# Altium PCB PCB.PcbDoc (part 9 of 10)
Units mm, origin at the board's own origin, x right, y up, seen from the top; angles counter-clockwise.
Board outline 25 x 25 mm, 10 copper layers (Top Layer, bu3, bu2, bu1, Core1, Core1b, bu1b, bu2b, bu3b, Bottom Layer), stack 1.2 mm thick; 43 components, 310 nets, 1945 pads, 12307 vias.
Unrouted connection lines stored in the file: 68.
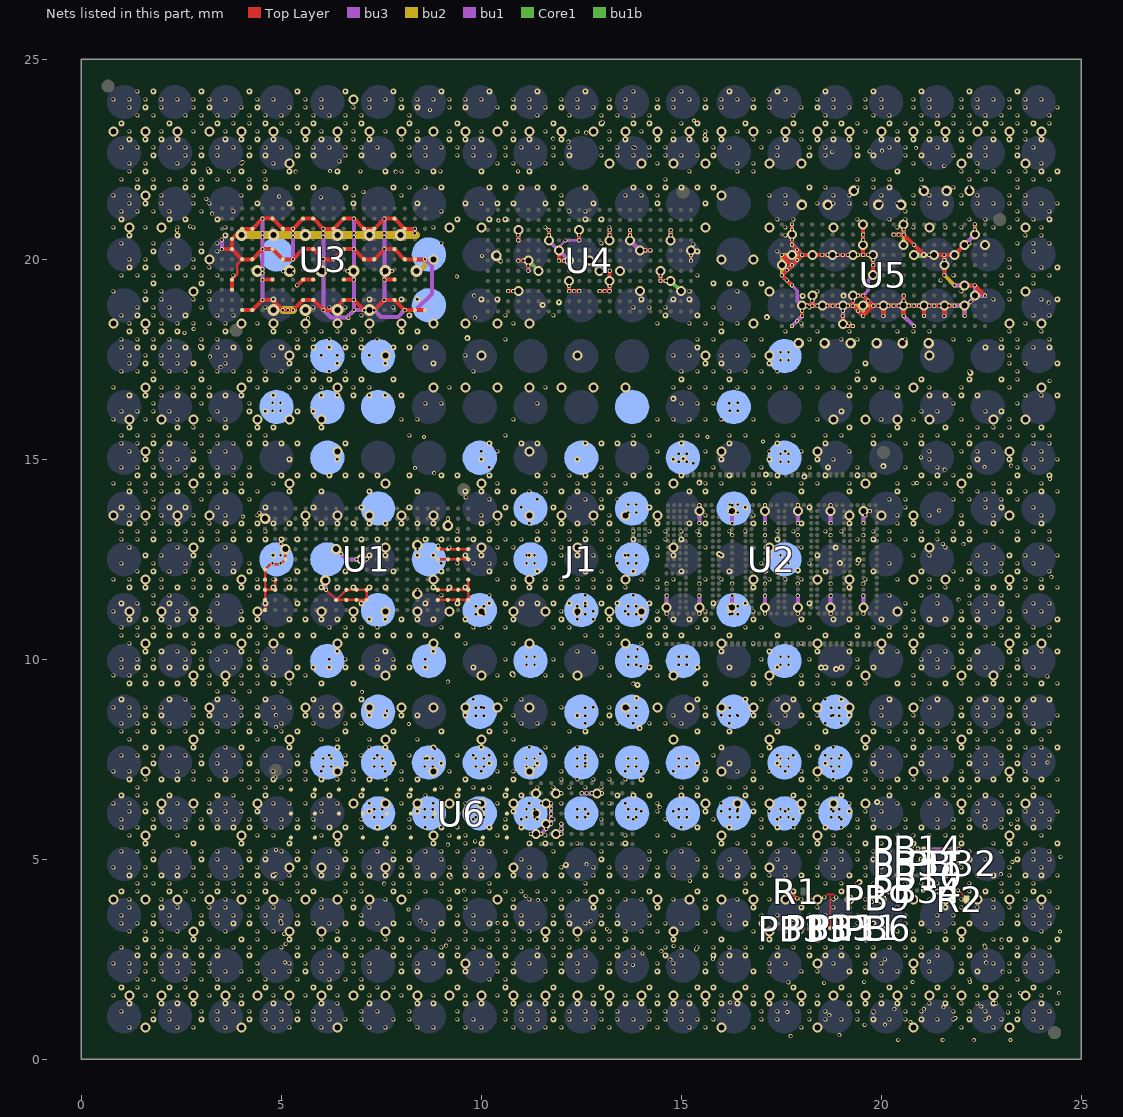
[diagram p17: the nets of this part, all layers, seen from the top]

## Via types
v1: diameter 0.1, hole 0.06, Top Layer to bu3, 2216 vias
v2: diameter 0.1, hole 0.06, bu3 to bu2, 1881 vias
v3: diameter 0.1, hole 0.06, bu3b to Bottom Layer, 1302 vias
v4: diameter 0.1, hole 0.06, bu2b to bu3b, 1272 vias
v5: diameter 0.1, hole 0.06, bu2 to bu1, 1248 vias
v6: diameter 0.15/0.1 (per signal layer), hole 0.06, Core1b to bu1b, 1224 vias
v7: diameter 0.1/0.15 (per signal layer), hole 0.06, bu1 to Core1, 1096 vias
v8: diameter 0.1, hole 0.06, bu1b to bu2b, 1021 vias
v9: diameter 0.25, hole 0.15, Core1 to Core1b, 537 vias
v10: diameter 0.3, hole 0.15, Core1 to Core1b, 253 vias
v11: diameter 0.1/0.1 (per signal layer), hole 0.06, bu1b to bu2b, 114 vias
v12: diameter 0.26, hole 0.15, Core1 to Core1b, 81 vias
v13: diameter 0.1, hole 0.06, bu1 to Core1, 52 vias
v14: diameter 0.105, hole 0.06, Top Layer to bu3, 6 vias
v15: diameter 0.1, hole 0.06, Core1b to bu1b, 4 vias

## Nets (pads, with @x,y where several pads share a name; then routed paths per layer and width w, separated by ;. In a path a pad name is that pad's centre, name@x,y a point inside that pad or via, vN(x,y) a via of type N, cw(c..) or ccw(c..) an arc to the next point about the centre after c; other vN are vias at no path point) (continued)
VSS: (continued)
  other v5: 1.2,0.8 1.6,0.8 2.4,0.8 2.8,0.8 3.6,0.8 4,0.8 4.8,0.8 6,0.8 7.2,0.8 8.4,0.8 9.6,0.8 10,0.8 10.8,0.8 11.6,0.8 12,0.8 12.8,0.8 13.2,0.8 14,0.8 14.4,0.8 15.2,0.8 15.6,0.8 16.8,0.8 18,0.8 20.8,0.8 22,0.8 22.8,0.8 23.2,0.8 24,0.8 1,1.2 1.8,1.2 2.2,1.2 3.8,1.2 4.6,1.2 5,1.2 7.4,1.2 8.2,1.2 13.4,1.2 14.6,1.2 15,1.2 15.8,1.2 17,1.2 17.4,1.2 18.2,1.2 18.6,1.2 19.4,1.2 19.8,1.2 20.6,1.2 21,1.2 21.8,1.2 22.2,1.2 22.6,1.2 23.8,1.2 24.2,1.2 16.221,1.421 1.2,1.6 7.2,1.6 8,1.6 17.6,1.6 19.2,1.6 19.6,1.6 22.8,1.6 24,1.6 1.8,2 6.6,2 7,2 10.2,2 10.6,2 0.8,2.4 1.2,2.4 2,2.4 2.4,2.4 8.4,2.4 12,2.4 17.6,2.4 18.8,2.4 19.6,2.4 20,2.4 20.8,2.4 22.8,2.4 23.6,2.4 24,2.4 5.088,2.42 14.724,2.49 1.4,2.8 4.2,2.8 11.4,2.8 21,2.8 21.8,2.8 23,2.8 9.119,2.842 5.07,3.138 1.2,3.2 2,3.2 3.6,3.2 7.6,3.2 24,3.2 13.144,3.261 1,3.6 16.2,3.6 17,3.6 18.2,3.6 19,3.6 19.4,3.6 23.8,3.6 24.2,3.6 8.179,3.746 1.2,4 2,4 3.6,4 24,4 11.11,4.089 9.572,4.217 3.4,4.4 3.8,4.4 4.2,4.4 23,4.4 23.8,4.4 0.8,4.8 1.2,4.8 1.6,4.8 2.8,4.8 3.6,4.8 23.2,4.8 24,4.8 1.4,5.2 2.6,5.2 3.4,5.2 21.8,5.2 23,5.2 23.8,5.2 4.866,5.238 1.2,5.6 11.6,5.6 13.6,5.6 14.4,5.6 20.8,5.6 23.2,5.6 24,5.6 11.873,5.635 11.619,5.889 1,6 11,6 11.4,6 13.8,6 14.6,6 22.2,6 22.6,6 23,6 23.4,6 23.8,6 11.365,6.143 12.678,6.136 1.2,6.4 3.6,6.4 4,6.4 10.8,6.4 11.2,6.4 11.619,6.397 13.6,6.4 22,6.4 22.8,6.4 11.365,6.651 11.873,6.651 11.4,6.8 11.8,6.8 12.2,6.8 12.6,6.8 13,6.8 23.8,6.8 0.8,7.2 1.2,7.2 14.8,7.2 20,7.2 22.4,7.2 23.2,7.2 23.6,7.2 21,7.6 22.2,7.6 23.4,7.6 1.2,8 21.6,8 22.4,8 22.8,8 23.2,8 24,8 4.862,8.305 1,8.4 1.4,8.4 2.6,8.4 3.4,8.4 3.8,8.4 11,8.4 11.4,8.4 24.2,8.4 1.2,8.8 22.8,8.8 3.4,9.2 3.8,9.2 0.8,9.6 1.2,9.6 3.6,9.6 4.8,9.6 23.6,9.6 1.4,10 6.2,10 6.6,10 7.4,10 7.8,10 8.6,10 21.4,10 23.4,10 1.2,10.4 22,10.4 22.8,10.4 23.6,10.4 24,10.4 1,10.8 1.4,10.8 2.2,10.8 4.6,10.8 6.2,10.8 6.6,10.8 7,10.8 7.4,10.8 20.2,10.8 24.2,10.8 1.2,11.2 2.4,11.2 4,11.2 12.4,11.2 12.8,11.2 13.2,11.2 14.4,11.2 22.8,11.2 24,11.2 14.632,11.594 15.452,11.594 16.272,11.594 17.092,11.594 17.912,11.594 18.732,11.594 19.552,11.594 1.8,11.6 3,11.6 4.2,11.6 10.2,11.6 12.6,11.6 22.2,11.6 22.6,11.6 23,11.6 23.4,11.6 8.403,11.633 6.118,11.738 0.8,12 1.6,12 2,12 2.8,12 3.2,12 4.4,12 10.8,12 12.4,12 12.8,12 13.2,12 24,12 1.8,12.4 3,12.4 3.8,12.4 9,12.4 9.4,12.4 9.8,12.4 10.2,12.4 22.2,12.4 22.6,12.4 23,12.4 23.4,12.4 7.007,12.5 5.102,12.754 1.2,12.8 2.4,12.8 3.6,12.8 9.2,12.8 10,12.8 10.8,12.8 21.6,12.8 22.8,12.8 24,12.8 8.403,12.856 1,13.2 1.4,13.2 2.2,13.2 2.6,13.2 3.4,13.2 3.8,13.2 9.4,13.2 11.8,13.2 12.2,13.2 13,13.2 13.4,13.2 21.8,13.2 22.2,13.2 22.6,13.2 23,13.2 23.4,13.2 23.8,13.2 24.2,13.2 15.452,13.404 16.272,13.404 17.092,13.404 17.912,13.404 18.732,13.404 19.552,13.404 9.165,13.516 4.038,13.571 1.2,13.6 2.4,13.6 3.6,13.6 12,13.6 13.2,13.6 20.4,13.6 21.2,13.6 22.8,13.6 1.8,14 3,14 11.4,14 12.6,14 20.6,14 21.8,14 22.2,14 22.6,14 23,14 23.4,14 9.609,14.051 0.8,14.4 1.6,14.4 2,14.4 2.8,14.4 11.6,14.4 12.4,14.4 12.8,14.4 20.4,14.4 21.2,14.4 24,14.4 9.4,14.6 8.819,14.653 8.342,14.779 1.8,14.8 21.4,14.8 22.2,14.8 23.4,14.8 23.8,14.8 1.2,15.2 3.2,15.2 3.6,15.2 21.2,15.2 22,15.2 22.4,15.2 22.8,15.2 23.2,15.2 24,15.2 8.566,15.559 15.654,15.559 1,15.6 1.4,15.6 1.8,15.6 21.4,15.6 23,15.6 23.8,15.6 24.2,15.6 1.2,16 23.6,16 1.8,16.4 0.8,16.8 1.6,16.8 7.2,16.8 18.2,17.2 19.4,17.2 3.215,17.569 1.2,17.6 6,17.6 7.2,17.6 1,18 2.2,18 5.4,18 5.8,18 6.2,18 6.6,18 24.2,18 2,18.4 10.4,18.4 10.8,18.4 14.4,18.4 4.806,18.728 5.606,18.728 6.406,18.728 4.6,18.8 5.8,18.8 6.2,18.8 6.6,18.8 7.8,18.8 13.8,18.8 14.2,18.8 14.6,18.8 18.02,18.84 18.528,18.84 19.036,18.84 20.052,18.84 20.56,18.84 21.068,18.84 21.576,18.84 18.274,19.094 19.29,19.094 0.8,19.2 10.67,19.206 10.797,19.206 10.924,19.206 13.2,19.2 15.2,19.2 22.084,19.348 12.194,19.46 13.21,19.46 14.734,19.46 21.482,19.475 19.798,19.602 4.406,19.703 8.381,19.703 12.956,19.714 14.48,19.714 21.576,19.856 11.051,19.968 11.178,19.968 12.194,19.968 10.018,20.089 18.274,20.11 18.782,20.11 19.29,20.11 19.798,20.11 21.322,20.11 21.83,20.11 11.94,20.222 13.972,20.222 19.544,20.364 22.084,20.364 13,20.4 24.2,20.4 10.924,20.476 11.686,20.476 13.21,20.476 13.718,20.476 14.734,20.476 4.006,20.603 4.806,20.603 5.606,20.603 6.406,20.603 7.206,20.603 7.981,20.603 10.924,20.603 13.718,20.603 14.734,20.603 17.766,20.618 22.338,20.618 10.924,20.73 12.448,20.73 13.718,20.73 14.734,20.73 1.2,20.8 3.6,20.8 11.6,20.8 13.2,20.8 17.6,20.8 20.4,20.8 19.544,20.872 20.56,20.872 10.43,20.971 3.8,21.2 12.2,21.2 12.6,21.2 20.6,21.2 0.8,21.6 6.8,21.6 8,21.6 12,21.6 13.6,21.6 14,21.6 14.4,21.6 19.2,21.6 20,21.6 19.4,22 19.8,22 20.2,22 1.2,22.4 10.4,22.4 10.8,22.4 11.2,22.4 11.6,22.4 16.4,22.4 18.773,22.688 20.018,22.717 1,22.8 4.2,22.8 4.6,22.8 5,22.8 5.4,22.8 5.8,22.8 6.6,22.8 8.6,22.8 9.8,22.8 10.6,22.8 11.4,22.8 12.2,22.8 13.4,22.8 13.8,22.8 14.2,22.8 14.6,22.8 20.6,22.8 21.4,22.8 22.2,22.8 23.8,22.8 1.2,23.2 1.6,23.2 14.8,23.2 22.8,23.2 23.2,23.2 24,23.2 3.4,23.6 3.8,23.6 4.2,23.6 4.6,23.6 5,23.6 5.8,23.6 7,23.6 11.4,23.6 12.2,23.6 13,23.6 13.4,23.6 14.2,23.6 19.8,23.6 21,23.6 21.8,23.6 23,23.6 24.2,23.6 0.8,24 1.2,24 1.6,24 2.4,24 2.8,24 4.4,24 4.8,24 5.6,24 6,24 7.6,24 8,24 9.2,24 9.6,24 10,24 10.8,24 11.2,24 12,24 12.4,24 13.2,24 13.6,24 14.4,24 14.8,24 15.2,24 16,24 16.4,24 16.8,24 17.2,24 17.6,24 18.4,24 18.8,24 19.6,24 20,24 20.8,24 21.2,24 22,24 22.4,24 22.8,24 23.2,24 23.6,24 24,24
  other v6: 1.8,1 3,1 4.2,1 5.4,1 11.8,1 19.8,1 21,1 22.2,1 23.4,1 1.2,1.4 2.4,1.4 3.6,1.4 4.8,1.4 6,1.4 7.2,1.4 8.4,1.4 9.6,1.4 10.8,1.4 12,1.4 13.2,1.4 14.4,1.4 15.6,1.4 16.8,1.4 18,1.4 19.2,1.4 20.4,1.4 21.6,1.4 22.8,1.4 24,1.4 1,1.8 2.2,1.8 3.4,1.8 4.6,1.8 5.8,1.8 7,1.8 8.2,1.8 9.4,1.8 10.6,1.8 11.8,1.8 13,1.8 14.2,1.8 15.4,1.8 16.6,1.8 17.8,1.8 19,1.8 20.2,1.8 21.4,1.8 22.6,1.8 23.8,1.8 8.4,2.2 9.6,2.2 10.8,2.2 12,2.2 13.2,2.2 14.4,2.2 15.6,2.2 16.8,2.2 1.8,2.6 3,2.6 4.2,2.6 5.4,2.6 6.6,2.6 7.8,2.6 9,2.6 10.2,2.6 11.4,2.6 16.2,2.6 17.4,2.6 18.6,2.6 19.8,2.6 21,2.6 22.2,2.6 23.4,2.6 1.6,3 2.8,3 4,3 5.2,3 13.6,3 14.8,3 16,3 17.2,3 18.4,3 19.6,3 20.8,3 22,3 23.2,3 24.4,3 1.8,3.4 3,3.4 4.2,3.4 5.4,3.4 6.6,3.4 7.8,3.4 9,3.4 9.4,3.4 10.2,3.4 10.6,3.4 11,3.4 11.8,3.4 12.2,3.4 13,3.4 13.4,3.4 18.6,3.4 19.8,3.4 21,3.4 22.2,3.4 23.4,3.4 6.8,3.8 14.4,3.8 15.6,3.8 16.8,3.8 18,3.8 21.6,3.8 1,4.2 2.2,4.2 3.4,4.2 4.6,4.2 7.8,4.2 13,4.2 14.2,4.2 15.4,4.2 16.6,4.2 17.8,4.2 19,4.2 20.2,4.2 21.4,4.2 22.6,4.2 23.8,4.2 1.2,4.6 2.4,4.6 4.8,4.6 6,4.6 6.8,4.6 7.2,4.6 8,4.6 8.4,4.6 8.8,4.6 9.2,4.6 9.6,4.6 10,4.6 10.4,4.6 10.8,4.6 11.2,4.6 11.6,4.6 12,4.6 12.4,4.6 13.2,4.6 14.4,4.6 15.6,4.6 16.8,4.6 18,4.6 19.2,4.6 20.4,4.6 21.6,4.6 22.8,4.6 24,4.6 1.8,5 3,5 4.2,5 5.4,5 6.6,5 7.8,5 13,5 19.8,5 21,5 22.2,5 23.4,5 1.6,5.4 2.8,5.4 4,5.4 5.2,5.4 6.4,5.4 7.6,5.4 8.8,5.4 10,5.4 11.2,5.4 11.6,5.4 12,5.4 16,5.4 17.2,5.4 18.4,5.4 19.6,5.4 20.8,5.4 22,5.4 23.2,5.4 24.4,5.4 1.8,5.8 3,5.8 4.2,5.8 5.4,5.8 6.6,5.8 7.8,5.8 9,5.8 10.2,5.8 15.4,5.8 16.2,5.8 17.4,5.8 18.6,5.8 19.8,5.8 21,5.8 22.2,5.8 23.4,5.8 1.6,6.2 7.2,6.2 8.4,6.2 9.6,6.2 10.8,6.2 15.6,6.2 16.8,6.2 18,6.2 19.2,6.2 22,6.2 23.2,6.2 1,6.6 2.2,6.6 3.4,6.6 4.6,6.6 5.8,6.6 7,6.6 8.2,6.6 9.4,6.6 10.6,6.6 15.4,6.6 16.6,6.6 17.8,6.6 19,6.6 20.2,6.6 21.4,6.6 22.6,6.6 23.8,6.6 1.2,7 2.4,7 3.6,7 4.8,7 6,7 7.2,7 8.4,7 9.6,7 10.8,7 14,7 15.6,7 16.8,7 18,7 19.2,7 20.4,7 21.6,7 22.8,7 24,7 1.8,7.4 3,7.4 4.2,7.4 5.4,7.4 6.6,7.4 7.8,7.4 9,7.4 10.2,7.4 11.4,7.4 15.4,7.4 16.2,7.4 17.4,7.4 18.6,7.4 19.8,7.4 21,7.4 22.2,7.4 23.4,7.4 1.6,7.8 2.8,7.8 4,7.8 5.2,7.8 6.4,7.8 7.6,7.8 8.8,7.8 10,7.8 16,7.8 17.2,7.8 18.4,7.8 19.6,7.8 20.8,7.8 22,7.8 23.2,7.8 24.4,7.8 1.8,8.2 3,8.2 4.2,8.2 5.4,8.2 6.6,8.2 7.8,8.2 9,8.2 10.2,8.2 12.6,8.2 15.4,8.2 16.2,8.2 17.4,8.2 18.6,8.2 19.8,8.2 21,8.2 22.2,8.2 23.4,8.2 1.6,8.6 6,8.6 7.2,8.6 8.4,8.6 9.6,8.6 13.2,8.6 15.6,8.6 16.8,8.6 18,8.6 19.2,8.6 22,8.6 23.2,8.6 1,9 2.2,9 3.4,9 4.6,9 5.8,9 7,9 15.4,9 16.6,9 17.8,9 19,9 20.2,9 21.4,9 22.6,9 23.8,9 1.2,9.4 2.4,9.4 3.6,9.4 4.8,9.4 6,9.4 6.8,9.4 15.6,9.4 16.8,9.4 18,9.4 19.2,9.4 20.4,9.4 21.6,9.4 22.8,9.4 24,9.4 1.4,9.8 1.8,9.8 2.2,9.8 3,9.8 4.2,9.8 5.4,9.8 6.6,9.8 15.4,9.8 16.2,9.8 17.4,9.8 18.6,9.8 19,9.8 19.8,9.8 21,9.8 22.2,9.8 23.4,9.8 2,10.2 2.8,10.2 4,10.2 5.2,10.2 6.4,10.2 16,10.2 17.2,10.2 18.4,10.2 19.2,10.2 20,10.2 20.8,10.2 22,10.2 23.2,10.2 24.4,10.2 6.6,10.6 7.4,10.6 14.6,10.6 15,10.6 16.2,10.6 17.4,10.6 18.6,10.6 19.4,10.6 21,10.6 22.2,10.6 23.4,10.6 1.2,11 1.6,11 2,11 2.4,11 4,11 5.2,11 6,11 7.2,11 8.4,11 9.6,11 10.8,11 12,11 13.2,11 14.4,11 15.6,11 16.8,11 18,11 18.8,11 19.2,11 20,11 21.2,11 21.6,11 22,11 22.4,11 23.2,11 24.4,11 1,11.4 2.2,11.4 4.6,11.4 5.4,11.4 7,11.4 8.6,11.4 9.4,11.4 10.6,11.4 11.8,11.4 13,11.4 14.2,11.4 15.8,11.4 16.6,11.4 18.2,11.4 1.2,11.8 1.6,11.8 6,11.8 9.6,11.8 10.8,11.8 12,11.8 13.2,11.8 16.8,11.8 19.2,11.8 22.8,11.8 24,11.8 1.8,12.2 3,12.2 4.2,12.2 5.4,12.2 6.6,12.2 7.8,12.2 9,12.2 10.2,12.2 11.4,12.2 12.6,12.2 13.8,12.2 15,12.2 16.2,12.2 17.4,12.2 18.6,12.2 19.8,12.2 21,12.2 22.2,12.2 23.4,12.2 2.8,12.6 8.4,12.6 8.8,12.6 10,12.6 11.2,12.6 12.4,12.6 13.6,12.6 14.8,12.6 16,12.6 17.2,12.6 18.4,12.6 23.2,12.6 6.6,13 9,13 10.2,13 11.4,13 12.6,13 13.8,13 15,13 17.4,13 19.8,13 21,13 21.8,13 22.2,13 23.4,13 1.2,13.4 10,13.4 10.8,13.4 12,13.4 12.4,13.4 13.2,13.4 14.4,13.4 15.2,13.4 15.6,13.4 16.8,13.4 18,13.4 19.2,13.4 20.8,13.4 24,13.4 1,13.8 2.6,13.8 5.8,13.8 7,13.8 8.2,13.8 10.6,13.8 11.8,13.8 13,13.8 14.2,13.8 16.6,13.8 18.2,13.8 1.2,14.2 2.4,14.2 3.6,14.2 5.2,14.2 6,14.2 7.2,14.2 8.4,14.2 9.6,14.2 10,14.2 10.8,14.2 12,14.2 12.4,14.2 13.2,14.2 14.4,14.2 15.2,14.2 15.6,14.2 16.8,14.2 18,14.2 19.2,14.2 20.4,14.2 23.2,14.2 1.4,14.6 4.2,14.6 5,14.6 5.4,14.6 6.6,14.6 9,14.6 10.2,14.6 11.4,14.6 12.6,14.6 13.8,14.6 15,14.6 16.2,14.6 17.4,14.6 18.6,14.6 19.4,14.6 19.8,14.6 21,14.6 22.2,14.6 23.4,14.6 24.2,14.6 2.8,15 5.2,15 6.4,15 10,15 12.4,15 14.8,15 16,15 17.2,15 18.4,15 1.8,15.4 2.2,15.4 4.6,15.4 5.4,15.4 6.6,15.4 10.2,15.4 11,15.4 11.4,15.4 12.6,15.4 13.4,15.4 13.8,15.4 15,15.4 16.2,15.4 17.4,15.4 18.6,15.4 19.8,15.4 21,15.4 22.2,15.4 1.2,15.8 3.6,15.8 4.8,15.8 6,15.8 19.2,15.8 20.4,15.8 21.6,15.8 4.6,16.2 5.8,16.2 19,16.2 23,16.2 1.2,16.6 1.6,16.6 2.4,16.6 2.8,16.6 3.6,16.6 4,16.6 4.8,16.6 6,16.6 19.2,16.6 20.4,16.6 21.2,16.6 21.6,16.6 22,16.6 22.4,16.6 24.4,16.6 1.8,17 3,17 4.2,17 5.4,17 6.6,17 15,17 16.2,17 19.8,17 21,17 22.2,17 23,17 1.6,17.4 2.8,17.4 5.2,17.4 7.6,17.4 15.6,17.4 16,17.4 17.2,17.4 1.4,17.8 1.8,17.8 2.6,17.8 3,17.8 3.8,17.8 4.2,17.8 5.4,17.8 6.6,17.8 7.8,17.8 22.6,17.8 23,17.8 24.2,17.8 18.582,17.904 19.232,17.904 19.882,17.904 20.532,17.904 21.182,17.904 1.2,18.2 2.4,18.2 3.6,18.2 4.8,18.2 6.8,18.2 16,18.2 17.137,18.552 1.4,18.6 2.6,18.6 1.6,19 4.8,19 7.2,19 24.4,19 18.032,19.086 19.055,19.093 1.8,19.4 3,19.4 15.8,19.4 16.2,19.4 16.6,19.4 17,19.4 1.2,19.8 1.6,19.8 2.4,19.8 24.4,19.8 10.378,20.092 1.8,20.2 3,20.2 1.2,20.6 2.4,20.6 19.544,20.872 1,21 2.2,21 3.4,21 9.4,21 24.2,21 18.014,21.361 18.664,21.361 19.924,21.361 20.494,21.361 1.6,21.4 8.4,21.4 9.6,21.4 12,21.4 14.4,21.4 15.6,21.4 19.314,21.711 21.064,21.711 21.634,21.711 22.204,21.711 1.8,21.8 3,21.8 4.2,21.8 5.4,21.8 6.6,21.8 7.8,21.8 9,21.8 10.2,21.8 11.4,21.8 12.6,21.8 14.2,21.8 14.6,21.8 15,21.8 15.4,21.8 15.8,21.8 18.2,21.8 1.6,22.2 2.8,22.2 4,22.2 5.2,22.2 6.4,22.2 7.6,22.2 8.8,22.2 10,22.2 24.4,22.2 1.8,22.6 3,22.6 4.2,22.6 5.4,22.6 12.2,22.6 18.2,22.6 19.8,22.6 21,22.6 22.2,22.6 23.4,22.6 1.2,23 2.4,23 3.6,23 4.8,23 6,23 7.2,23 8.4,23 9.6,23 19.2,23 20.4,23 21.6,23 22.8,23 24,23 1,23.4 2.2,23.4 3.4,23.4 4.6,23.4 5.8,23.4 7,23.4 8.2,23.4 9.4,23.4 10.6,23.4 11.8,23.4 13,23.4 14.2,23.4 15.4,23.4 16.6,23.4 17.8,23.4 19,23.4 20.2,23.4 21.4,23.4 22.6,23.4 23.8,23.4 8.4,23.8 9.6,23.8 10.8,23.8 12,23.8 13.2,23.8 14.4,23.8 15.6,23.8 16.8,23.8 1.8,24.2 3,24.2 4.2,24.2 5.4,24.2 6.6,24.2 7.8,24.2 9,24.2 10.2,24.2 11.4,24.2 12.6,24.2 16.2,24.2 17.4,24.2 18.6,24.2 19.8,24.2 21,24.2 22.2,24.2 23.4,24.2
  other v7: 1.8,1 4.2,1 5.4,1 11.8,1 19.8,1 21,1 22.2,1 1.2,1.4 2,1.4 2.4,1.4 2.8,1.4 4,1.4 4.8,1.4 6,1.4 7.2,1.4 8.4,1.4 8.8,1.4 9.6,1.4 10,1.4 11.2,1.4 11.6,1.4 12.4,1.4 12.8,1.4 13.6,1.4 14,1.4 14.8,1.4 15.2,1.4 15.6,1.4 16,1.4 16.4,1.4 17.2,1.4 18.4,1.4 19.2,1.4 19.6,1.4 20,1.4 21.6,1.4 22.8,1.4 24,1.4 1,1.8 3.4,1.8 6.2,1.8 7,1.8 9.4,1.8 10.6,1.8 11.8,1.8 13,1.8 14.2,1.8 15.8,1.8 16.6,1.8 17.8,1.8 19,1.8 21.4,1.8 22.6,1.8 23.8,1.8 5.6,2.2 8,2.2 8.4,2.2 9.2,2.2 12,2.2 15.6,2.2 19.2,2.2 19.6,2.2 20.8,2.2 22,2.2 22.4,2.2 1.4,2.6 2.2,2.6 2.6,2.6 3,2.6 3.4,2.6 5.4,2.6 7.8,2.6 9,2.6 9.4,2.6 10.6,2.6 12.2,2.6 13.4,2.6 14.6,2.6 15.8,2.6 16.6,2.6 18.2,2.6 19,2.6 1.6,3 5.2,3 6.4,3 8,3 11.6,3 12.8,3 14.8,3 20.8,3 21.6,3 23.6,3 24.4,3 1.8,3.4 3,3.4 3.8,3.4 5.4,3.4 6.6,3.4 7,3.4 10.6,3.4 11.8,3.4 12.2,3.4 16.6,3.4 17,3.4 17.8,3.4 21,3.4 22.2,3.4 2,3.8 6.8,3.8 9.2,3.8 10.8,3.8 12,3.8 12.8,3.8 15.6,3.8 18,3.8 1,4.2 2.2,4.2 3.4,4.2 5.8,4.2 9.4,4.2 17.8,4.2 23.8,4.2 19.45,4.431 1.2,4.6 2,4.6 2.4,4.6 4.4,4.6 7.6,4.6 10,4.6 16.4,4.6 18,4.6 23.6,4.6 24,4.6 12.114,4.862 1.8,5 3,5 4.6,5 5.4,5 6.6,5 8.2,5 1.6,5.4 2.8,5.4 4,5.4 5.2,5.4 10,5.4 11.2,5.4 11.6,5.4 12,5.4 13.6,5.4 22,5.4 23.2,5.4 24.4,5.4 11.365,5.635 11.873,5.635 1.8,5.8 3.4,5.8 3.8,5.8 4.2,5.8 5.4,5.8 6.2,5.8 7.4,5.8 9,5.8 10.2,5.8 10.6,5.8 11,5.8 23.8,5.8 11.619,5.889 11.365,6.143 2,6.2 3.2,6.2 4.4,6.2 10.8,6.2 11.619,6.397 19.896,6.433 1,6.6 2.2,6.6 3.4,6.6 4.6,6.6 6.2,6.6 11,6.6 13.4,6.6 13.8,6.6 14.2,6.6 15,6.6 22.6,6.6 11.365,6.651 11.873,6.651 12.889,6.651 1.2,7 2,7 22,7 22.4,7 22.8,7 23.2,7 23.6,7 24,7 1.8,7.4 3,7.4 4.2,7.4 23.4,7.4 8.645,7.527 2,7.8 22,7.8 23.2,7.8 24.4,7.8 1.8,8.2 23.8,8.2 13.958,8.281 2,8.6 3.2,8.6 4.4,8.6 5.6,8.6 6,8.6 6.4,8.6 6.8,8.6 7.2,8.6 7.6,8.6 8,8.6 8.4,8.6 12.4,8.6 1,9 2.2,9 3.4,9 4.6,9 22.2,9 22.6,9 23,9 23.4,9 24.2,9 13.881,9.031 13.904,9.36 1.2,9.4 1.6,9.4 2,9.4 2.4,9.4 2.8,9.4 24,9.4 10.778,9.636 18.872,9.755 18.497,9.791 1.4,9.8 1.8,9.8 2.2,9.8 2.6,9.8 3,9.8 4.6,9.8 5.4,9.8 5.8,9.8 6.2,9.8 6.6,9.8 7,9.8 7.4,9.8 7.8,9.8 8.2,9.8 8.6,9.8 9.8,9.8 14.2,9.8 1.6,10.2 2.8,10.2 4,10.2 5.2,10.2 6.4,10.2 7.6,10.2 8.8,10.2 22.4,10.2 23.2,10.2 23.6,10.2 24.4,10.2 1.8,10.6 2.2,10.6 2.6,10.6 3,10.6 3.4,10.6 3.8,10.6 4.2,10.6 5,10.6 5.4,10.6 5.8,10.6 6.6,10.6 7,10.6 7.4,10.6 7.8,10.6 8.2,10.6 8.6,10.6 9.4,10.6 14.2,10.6 15,10.6 20.2,10.6 1.2,11 2.4,11 2.8,11 3.2,11 4,11 4.4,11 5.2,11 5.6,11 6,11 6.4,11 6.8,11 7.2,11 7.6,11 8,11 8.4,11 8.8,11 14.4,11 14.8,11 15.2,11 18.8,11 20,11 24.4,11 14.632,11.294 15.452,11.294 16.272,11.294 17.092,11.294 17.912,11.294 18.732,11.294 19.552,11.294 1,11.4 2.2,11.4 10.2,11.4 10.6,11.4 11,11.4 11.4,11.4 11.8,11.4 12.2,11.4 12.6,11.4 13,11.4 13.4,11.4 23,11.4 8.403,11.633 1.2,11.8 2.4,11.8 3.2,11.8 3.6,11.8 4,11.8 4.4,11.8 4.8,11.8 5.2,11.8 6.4,11.8 6.8,11.8 7.2,11.8 7.6,11.8 8.8,11.8 9.2,11.8 9.6,11.8 11.2,11.8 11.6,11.8 22.4,11.8 23.2,11.8 24,11.8 1.8,12.2 3,12.2 3.8,12.2 17.103,12.221 17.911,12.225 18.965,12.404 19.435,12.477 7.007,12.5 1.6,12.6 2.8,12.6 4.8,12.6 7.2,12.6 7.6,12.6 8.4,12.6 8.8,12.6 9.6,12.6 10,12.6 23.2,12.6 15.948,12.633 5.102,12.754 6.371,12.754 18.86,12.795 8.403,12.856 1.8,13 3,13 3.8,13 4.2,13 4.6,13 5,13 5.4,13 6.6,13 7,13 7.4,13 8.6,13 9,13 9.4,13 9.8,13 10.2,13 22.2,13 23.4,13 1.2,13.4 2.4,13.4 3.6,13.4 4,13.4 4.4,13.4 4.8,13.4 5.2,13.4 5.6,13.4 6,13.4 6.4,13.4 6.8,13.4 7.2,13.4 7.6,13.4 8,13.4 8.4,13.4 8.8,13.4 12,13.4 13.2,13.4 14.4,13.4 22,13.4 22.8,13.4 24,13.4 4.594,13.516 15.452,13.704 16.272,13.704 17.092,13.704 17.912,13.704 18.732,13.704 19.552,13.704 1,13.8 2.2,13.8 4.6,13.8 5.8,13.8 7,13.8 8.2,13.8 11.8,13.8 13,13.8 14.2,13.8 23,13.8 1.2,14.2 2.4,14.2 3.6,14.2 4,14.2 10.4,14.2 10.8,14.2 12,14.2 24,14.2 15.453,14.418 18.076,14.565 1.8,14.6 3,14.6 3.4,14.6 5,14.6 5.8,14.6 6.2,14.6 7,14.6 7.4,14.6 8.2,14.6 9.4,14.6 10.2,14.6 11.4,14.6 12.6,14.6 14.2,14.6 21.4,14.6 22.2,14.6 23.4,14.6 17.115,14.621 18.667,14.798 20.051,14.827 1.6,15 2.8,15 5.2,15 15.052,15.015 22.4,15 23.2,15 1.8,15.4 4.2,15.4 5,15.4 13,15.4 13.4,15.4 1.2,15.8 2.4,15.8 4.4,15.8 24,15.8 4.2,16.2 5.4,16.2 14.802,16.515 1.2,16.6 2.4,16.6 2.8,16.6 3.2,16.6 6.4,16.6 6.8,16.6 7.2,16.6 7.6,16.6 8,16.6 24.4,16.6 4.6,17 5.8,17 6.2,17 6.6,17 7,17 7.8,17 19.4,17 22.225,17.159 6.4,17.4 8.8,17.4 19.6,17.4 24.4,17.4 1.4,17.8 2.6,17.8 3,17.8 5,17.8 5.4,17.8 5.8,17.8 6.2,17.8 6.6,17.8 7,17.8 8.2,17.8 8.6,17.8 15.4,17.8 17.932,17.904 18.582,17.904 19.882,17.904 20.532,17.904 21.182,17.904 9.653,18.029 1.2,18.2 1.6,18.2 2,18.2 8,18.2 8.4,18.2 19.036,18.382 8.2,18.6 14.6,18.6 15.4,18.6 11.534,18.857 18.02,18.84 18.528,18.84 19.036,18.84 19.544,18.84 20.052,18.84 20.56,18.84 21.068,18.84 21.576,18.84 22.084,18.84 11.943,18.926 1.6,19 8,19 8.4,19 10,19 10.4,19 14,19 14.8,19 15.2,19 24.4,19 18.274,19.094 19.29,19.094 22.338,19.094 10.924,19.206 22.084,19.348 12.194,19.46 13.21,19.46 14.734,19.46 19.798,19.602 12.956,19.714 13.464,19.714 14.48,19.714 17.512,19.856 21.576,19.856 11.178,19.968 12.194,19.968 10.378,20.092 17.766,20.11 18.274,20.11 18.782,20.11 19.29,20.11 19.798,20.11 21.322,20.11 21.83,20.11 15.4,20.2 11.94,20.222 13.972,20.222 15.242,20.222 19.544,20.364 20.56,20.364 22.084,20.364 11.686,20.476 13.21,20.476 13.718,20.476 14.734,20.476 3.6,20.6 17.766,20.618 22.338,20.618 10.924,20.73 12.448,20.73 19.544,20.872 20.56,20.872 1,21 2.2,21 2.6,21 10.2,21 10.6,21 12.6,21 13,21 18.014,21.361 18.664,21.361 19.924,21.361 20.494,21.361 4.4,21.4 5.2,21.4 6.8,21.4 10.4,21.4 10.8,21.4 11.6,21.4 12.8,21.4 14.4,21.4 21.6,21.4 19.314,21.711 21.064,21.711 21.634,21.711 22.204,21.711 1.4,21.8 2.6,21.8 4.6,21.8 5.4,21.8 5.8,21.8 10.2,21.8 10.6,21.8 11,21.8 11.8,21.8 13.8,21.8 14.6,21.8 15,21.8 18.2,21.8 20.2,21.8 3.2,22.2 5.2,22.2 6.4,22.2 10,22.2 11.2,22.2 20.4,22.2 24,22.2 1.8,22.6 4.2,22.6 4.6,22.6 5.4,22.6 5.8,22.6 7,22.6 7.8,22.6 12.2,22.6 15.8,22.6 19.4,22.6 23.4,22.6 1.6,23 2,23 2.4,23 3.6,23 4,23 4.4,23 4.8,23 5.6,23 6,23 6.4,23 9.2,23 10,23 10.8,23 11.2,23 12,23 13.6,23 14.4,23 14.8,23 15.2,23 15.6,23 16,23 17.6,23 18.4,23 18.8,23 19.2,23 20,23 20.4,23 20.8,23 21.2,23 21.6,23 22,23 22.8,23 23.2,23 24,23 1,23.4 2.2,23.4 4.6,23.4 10.6,23.4 13.8,23.4 14.2,23.4 15.4,23.4 18.6,23.4 19,23.4 20.2,23.4 21.4,23.4 22.6,23.4 1.6,23.8 3.2,23.8 4.4,23.8 8,23.8 8.4,23.8 9.6,23.8 13.2,23.8 16.8,23.8 18.4,23.8 3,24.2 4.2,24.2 5.4,24.2 6.6,24.2 7.8,24.2 9,24.2 10.2,24.2 11.4,24.2 12.6,24.2 16.2,24.2 17.4,24.2 18.6,24.2 19.8,24.2 23.4,24.2
  other v8: 1.6,0.8 2.8,0.8 4,0.8 5.2,0.8 6.4,0.8 7.6,0.8 8.8,0.8 10,0.8 11.2,0.8 23.2,0.8 2.2,1.2 3.4,1.2 4.6,1.2 5.8,1.2 7,1.2 8.2,1.2 9.4,1.2 10.6,1.2 11.8,1.2 13,1.2 14.2,1.2 23.8,1.2 0.8,1.6 1.2,1.6 1.6,1.6 2,1.6 2.4,1.6 2.8,1.6 3.2,1.6 3.6,1.6 4,1.6 4.4,1.6 4.8,1.6 5.2,1.6 5.6,1.6 6,1.6 6.4,1.6 6.8,1.6 7.2,1.6 7.6,1.6 8,1.6 8.4,1.6 8.8,1.6 9.2,1.6 9.6,1.6 10,1.6 10.4,1.6 10.8,1.6 11.2,1.6 11.6,1.6 12,1.6 12.4,1.6 12.8,1.6 13.2,1.6 13.6,1.6 14,1.6 14.4,1.6 14.8,1.6 15.2,1.6 15.6,1.6 16,1.6 16.4,1.6 16.8,1.6 17.2,1.6 17.6,1.6 18,1.6 18.4,1.6 18.8,1.6 19.2,1.6 19.6,1.6 20,1.6 20.4,1.6 20.8,1.6 21.2,1.6 21.6,1.6 22,1.6 22.4,1.6 22.8,1.6 23.2,1.6 23.6,1.6 24,1.6 1.6,2.4 2.8,2.4 6,2.4 7.2,2.4 8.4,2.4 13.6,2.4 14.8,2.4 16,2.4 17.2,2.4 18.4,2.4 19.6,2.4 20.8,2.4 22,2.4 23.2,2.4 1,2.8 1.4,2.8 1.8,2.8 2.2,2.8 2.6,2.8 3,2.8 3.4,2.8 3.8,2.8 4.2,2.8 4.6,2.8 5,2.8 5.4,2.8 5.8,2.8 6.2,2.8 6.6,2.8 7,2.8 7.4,2.8 7.8,2.8 8.2,2.8 8.6,2.8 9,2.8 9.4,2.8 9.8,2.8 10.2,2.8 10.6,2.8 11,2.8 11.4,2.8 11.8,2.8 12.2,2.8 12.6,2.8 13,2.8 13.4,2.8 13.8,2.8 14.2,2.8 14.6,2.8 15,2.8 15.4,2.8 15.8,2.8 16.2,2.8 16.6,2.8 17,2.8 17.4,2.8 17.8,2.8 18.2,2.8 18.6,2.8 19,2.8 19.4,2.8 19.8,2.8 20.2,2.8 20.6,2.8 21,2.8 21.4,2.8 21.8,2.8 22.2,2.8 22.6,2.8 23,2.8 23.4,2.8 23.8,2.8 24.2,2.8 13.6,3.2 3.4,3.6 4.6,3.6 5.4,3.6 7,3.6 9.8,3.6 13,3.6 13.4,3.6 17.4,3.6 18.6,3.6 20.6,3.6 0.8,4 1.2,4 1.6,4 2,4 2.4,4 2.8,4 3.2,4 3.6,4 4,4 4.4,4 4.8,4 5.2,4 6,4 6.4,4 6.8,4 13.6,4 14,4 14.4,4 14.8,4 15.2,4 15.6,4 16,4 16.4,4 16.8,4 17.2,4 17.6,4 18,4 18.4,4 18.8,4 19.2,4 19.6,4 20,4 20.4,4 20.8,4 21.2,4 21.6,4 22,4 22.4,4 22.8,4 23.2,4 23.6,4 24,4 7,4.4 1.6,4.8 2.8,4.8 6,4.8 7.2,4.8 8,4.8 8.4,4.8 9.2,4.8 9.6,4.8 10.8,4.8 12,4.8 13.2,4.8 13.6,4.8 14.8,4.8 16,4.8 17.2,4.8 18.4,4.8 19.6,4.8 20.8,4.8 22,4.8 23.2,4.8 1,5.2 1.4,5.2 1.8,5.2 2.2,5.2 2.6,5.2 3,5.2 3.4,5.2 3.8,5.2 4.2,5.2 4.6,5.2 5,5.2 5.4,5.2 5.8,5.2 6.2,5.2 6.6,5.2 7,5.2 7.4,5.2 7.8,5.2 8.2,5.2 8.6,5.2 9,5.2 9.4,5.2 9.8,5.2 16.6,5.2 17,5.2 17.4,5.2 17.8,5.2 18.2,5.2 18.6,5.2 19,5.2 19.4,5.2 19.8,5.2 20.2,5.2 20.6,5.2 21,5.2 21.4,5.2 21.8,5.2 22.2,5.2 22.6,5.2 23,5.2 23.4,5.2 23.8,5.2 24.2,5.2 9.6,5.6 1,6 2.2,6 3.4,6 4.6,6 5.8,6 7,6 8.2,6 9,6 17.4,6 17.8,6 19,6 19.8,6 20.6,6 21.8,6 22.6,6 23.8,6 0.8,6.4 1.2,6.4 1.6,6.4 2,6.4 2.4,6.4 2.8,6.4 3.2,6.4 3.6,6.4 4,6.4 4.4,6.4 4.8,6.4 5.2,6.4 5.6,6.4 6,6.4 6.4,6.4 6.8,6.4 7.2,6.4 7.6,6.4 8,6.4 8.4,6.4 8.8,6.4 18,6.4 18.4,6.4 18.8,6.4 19.2,6.4 19.6,6.4 20,6.4 20.4,6.4 20.8,6.4 21.2,6.4 21.6,6.4 22,6.4 22.4,6.4 22.8,6.4 23.2,6.4 23.6,6.4 24,6.4 1.2,7.2 1.6,7.2 2.4,7.2 2.8,7.2 3.6,7.2 4,7.2 4.8,7.2 5.2,7.2 6.4,7.2 7.6,7.2 8,7.2 13.2,7.2 13.6,7.2 14,7.2 18.4,7.2 19.6,7.2 20.8,7.2 22,7.2 23.2,7.2 1,7.6 1.4,7.6 1.8,7.6 2.2,7.6 2.6,7.6 3,7.6 3.4,7.6 3.8,7.6 4.2,7.6 4.6,7.6 5,7.6 5.4,7.6 5.8,7.6 6.2,7.6 6.6,7.6 7,7.6 7.4,7.6 12.6,7.6 18.6,7.6 19,7.6 19.4,7.6 19.8,7.6 20.2,7.6 20.6,7.6 21,7.6 21.4,7.6 21.8,7.6 22.2,7.6 22.6,7.6 23,7.6 23.4,7.6 23.8,7.6 24.2,7.6 7.2,8 10.8,8 1,8.4 1.4,8.4 2.2,8.4 2.6,8.4 3.4,8.4 3.8,8.4 4.6,8.4 5,8.4 5.8,8.4 6.6,8.4 12.6,8.4 19.4,8.4 20.2,8.4 21.4,8.4 22.6,8.4 23.8,8.4 0.8,8.8 1.6,8.8 2,8.8 2.8,8.8 3.2,8.8 4.4,8.8 5.6,8.8 6,8.8 6.4,8.8 10,8.8 12.8,8.8 20,8.8 20.8,8.8 21.2,8.8 22,8.8 22.4,8.8 23.2,8.8 23.6,8.8 1.6,9.6 2.8,9.6 4,9.6 5.2,9.6 5.6,9.6 20.8,9.6 22,9.6 23.2,9.6 1,10 2.6,10 3,10 3.4,10 4.2,10 4.6,10 21,10 22.2,10 23.4,10 1,10.8 2.2,10.8 3.4,10.8 4.2,10.8 9,10.8 21.8,10.8 22.6,10.8 23.8,10.8 0.8,11.2 2.4,11.2 2.8,11.2 3.2,11.2 9.2,11.2 22.4,11.2 23.2,11.2 23.6,11.2 2.2,11.6 3.4,11.6 9,11.6 1.6,12 2.8,12 23.2,12 1,12.4 1.8,12.4 2.6,12.4 3,12.4 3.4,12.4 23.4,12.4 23.8,12.4 1.2,12.8 14.4,12.8 1,13.2 14.6,13.2 15,13.2 0.8,13.6 1.2,13.6 2,13.6 2.4,13.6 2.8,13.6 3.2,13.6 3.6,13.6 24,13.6 1.8,14 1.6,14.4 2,14.4 2.4,14.4 2.8,14.4 3.2,14.4 3.6,14.4 1,14.8 1.4,14.8 2.2,14.8 2.6,14.8 3,14.8 3.4,14.8 3.8,14.8 1.2,15.2 2,15.2 2.8,15.2 3.6,15.2 1,15.6 2.2,15.6 0.8,16 1.2,16 1.6,16 2.4,16 2.8,16 3.2,16 3.6,16 1.8,16.4 1.6,16.8 2.8,16.8 1,17.2 1.4,17.2 1.8,17.2 2.6,17.2 3,17.2 3.4,17.2 3.8,17.2 1.6,17.6 1,18 1.8,18 3.4,18 0.8,18.4 1.2,18.4 1.6,18.4 2.4,18.4 2.8,18.4 3.2,18.4 3.6,18.4 1.8,18.8 1.6,19.2 2.8,19.2 1,19.6 1.4,19.6 1.8,19.6 2.2,19.6 3,19.6 24.2,19.6 1.6,20 2.8,20 1,20.4 2.2,20.4 3.4,20.4 0.8,20.8 1.2,20.8 1.6,20.8 2,20.8 2.4,20.8 2.8,20.8 19.544,20.872 1,21.2 1.6,21.6 2.8,21.6 4,21.6 1,22 1.4,22 1.8,22 2.2,22 2.6,22 3,22 3.4,22 3.8,22 4.2,22 23.4,22 24.2,22 1.6,22.4 2.8,22.4 4,22.4 4.8,22.4 1,22.8 2.2,22.8 3.4,22.8 4.6,22.8 5.8,22.8 7,22.8 8.2,22.8 9.4,22.8 10.6,22.8 11,22.8 11.8,22.8 12.2,22.8 13,22.8 14.2,22.8 14.6,22.8 15.8,22.8 16.2,22.8 17,22.8 17.4,22.8 18.2,22.8 23.8,22.8 0.8,23.2 1.2,23.2 1.6,23.2 2,23.2 2.4,23.2 2.8,23.2 3.2,23.2 3.6,23.2 4,23.2 4.4,23.2 4.8,23.2 5.2,23.2 5.6,23.2 6,23.2 6.4,23.2 6.8,23.2 7.2,23.2 7.6,23.2 8,23.2 8.4,23.2 8.8,23.2 9.2,23.2 9.6,23.2 10,23.2 10.4,23.2 10.8,23.2 11.2,23.2 11.6,23.2 12,23.2 12.4,23.2 12.8,23.2 13.2,23.2 13.6,23.2 14,23.2 14.4,23.2 14.8,23.2 15.2,23.2 15.6,23.2 16,23.2 16.4,23.2 16.8,23.2 17.2,23.2 17.6,23.2 18,23.2 18.4,23.2 18.8,23.2 19.2,23.2 19.6,23.2 20,23.2 20.4,23.2 20.8,23.2 21.2,23.2 21.6,23.2 22,23.2 22.4,23.2 22.8,23.2 23.2,23.2 23.6,23.2 24,23.2 1.6,24 2.8,24 6,24 7.2,24 13.6,24 14.8,24 16,24 18.4,24 19.6,24 20.8,24 22,24 23.2,24
  other v9: 1.6,0.8 4,0.8 6.4,0.8 16,0.8 18.4,0.8 20.8,0.8 23.2,0.8 1.2,1.6 2,1.6 2.8,1.6 3.6,1.6 4.4,1.6 5.2,1.6 6,1.6 6.8,1.6 7.6,1.6 8.4,1.6 9.2,1.6 10,1.6 10.8,1.6 11.6,1.6 12.4,1.6 13.2,1.6 14,1.6 14.8,1.6 15.6,1.6 16.4,1.6 17.2,1.6 18,1.6 18.8,1.6 19.6,1.6 20.4,1.6 21.2,1.6 22,1.6 22.8,1.6 23.6,1.6 9.6,2.4 18.4,2.4 20.8,2.4 2.8,3.2 5.2,3.2 6,3.2 7.6,3.2 11.6,3.2 12.4,3.2 14.8,3.2 17.2,3.2 22,3.2 0.8,4 1.6,4 2.4,4 3.2,4 4,4 4.8,4 5.6,4 6.4,4 7.2,4 8,4 10.4,4 12.8,4 14.4,4 15.2,4 16,4 16.8,4 17.6,4 18.4,4 19.2,4 20,4 20.8,4 21.6,4 22.4,4 23.2,4 24,4 5.2,4.8 6,4.8 7.6,4.8 10.8,4.8 17.2,4.8 1.6,5.6 4,5.6 6.4,5.6 8.8,5.6 16,5.6 18.4,5.6 23.2,5.6 11.365,5.635 11.873,5.635 11.619,5.889 11.365,6.143 2,6.4 2.8,6.4 4.4,6.4 6.8,6.4 7.6,6.4 8.4,6.4 9.2,6.4 10,6.4 10.8,6.4 11.619,6.397 15.6,6.4 16.4,6.4 17.2,6.4 18,6.4 18.8,6.4 19.6,6.4 22,6.4 23.6,6.4 11.365,6.651 11.873,6.651 12.889,6.651 1.6,7.2 6.4,7.2 8.8,7.2 11.2,7.2 16,7.2 18.4,7.2 20.8,7.2 23.2,7.2 2.8,8 5.2,8 7.6,8 10,8 14.8,8 17.2,8 19.6,8 22,8 3.2,8.8 5.6,8.8 6.4,8.8 7.2,8.8 8,8.8 8.8,8.8 9.6,8.8 10.4,8.8 11.2,8.8 13.6,8.8 14.4,8.8 15.2,8.8 16,8.8 16.8,8.8 17.6,8.8 18.4,8.8 19.2,8.8 20.8,8.8 2.8,9.6 3.6,9.6 5.2,9.6 7.6,9.6 10,9.6 12.4,9.6 14.8,9.6 17.2,9.6 19.6,9.6 22,9.6 22.8,9.6 1.6,10.4 4,10.4 4.8,10.4 6.4,10.4 8.8,10.4 11.2,10.4 13.6,10.4 16,10.4 18.4,10.4 20,10.4 20.8,10.4 23.2,10.4 24,10.4 1.2,11.2 2,11.2 2.8,11.2 4.4,11.2 6,11.2 6.8,11.2 7.6,11.2 8.4,11.2 9.2,11.2 10,11.2 10.8,11.2 11.6,11.2 12.4,11.2 13.2,11.2 14,11.2 20.4,11.2 14.632,11.294 15.452,11.294 16.272,11.294 17.092,11.294 17.912,11.294 18.732,11.294 19.552,11.294 1.6,12 4,12 8.8,12 11.2,12 13.6,12 16.8,12 18.4,12 19.2,12 20.8,12 21.6,12 23.2,12 2.8,12.8 7.6,12.8 10,12.8 12.4,12.8 14.8,12.8 17.2,12.8 21.2,12.8 0.8,13.6 1.6,13.6 2.4,13.6 3.2,13.6 5.6,13.6 6.4,13.6 7.2,13.6 8,13.6 8.8,13.6 10.4,13.6 11.2,13.6 12,13.6 12.8,13.6 13.6,13.6 14.4,13.6 19.2,13.6 20,13.6 20.8,13.6 23.2,13.6 15.452,13.704 16.272,13.704 17.092,13.704 17.912,13.704 18.732,13.704 19.552,13.704 2.8,14.4 5.2,14.4 7.6,14.4 10,14.4 14.8,14.4 19.6,14.4 22,14.4 1.6,15.2 6.4,15.2 11.2,15.2 16,15.2 18.4,15.2 23.2,15.2 1.2,16 2,16 2.8,16 4.4,16 5.2,16 6,16 18.8,16 19.6,16 20.4,16 21.2,16 22.8,16 23.6,16 1.6,16.8 4,16.8 6.4,16.8 8.8,16.8 9.6,16.8 10.4,16.8 11.2,16.8 12,16.8 12.8,16.8 13.6,16.8 20.8,16.8 24,16.8 5.2,17.6 7.6,17.6 10,17.6 12.4,17.6 15.6,17.6 17.2,17.6 21.2,17.6 0.8,18.4 1.6,18.4 4,18.4 4.8,18.4 5.6,18.4 6.4,18.4 7.2,18.4 8,18.4 8.8,18.4 9.6,18.4 10.4,18.4 11.2,18.4 16.8,18.4 19.036,18.382 23.2,18.4 24,18.4 18.02,18.84 18.528,18.84 19.036,18.84 19.544,18.84 20.052,18.84 20.56,18.84 21.068,18.84 21.576,18.84 22.084,18.84 18.274,19.094 19.29,19.094 22.338,19.094 2.8,19.2 10.924,19.206 13.972,19.206 17.2,19.2 23.6,19.2 22.084,19.348 12.194,19.46 13.21,19.46 14.734,19.46 19.798,19.602 12.956,19.714 13.464,19.714 14.48,19.714 17.512,19.856 21.576,19.856 11.178,19.968 12.194,19.968 12.702,19.968 3.2,20 8.8,20 16,20 16.8,20 17.766,20.11 18.274,20.11 18.782,20.11 19.29,20.11 19.798,20.11 21.322,20.11 21.83,20.11 11.94,20.222 13.972,20.222 15.242,20.222 19.544,20.364 20.56,20.364 22.084,20.364 22.592,20.364 11.686,20.476 13.21,20.476 13.718,20.476 14.734,20.476 17.766,20.618 22.338,20.618 10.924,20.73 12.448,20.73 1.2,20.8 2,20.8 9.2,20.8 10,20.8 15.6,20.8 17.2,20.8 18.8,20.8 21.2,20.8 23.6,20.8 19.544,20.872 20.56,20.872 1.6,21.6 16,21.6 5.2,22.4 13.2,22.4 14,22.4 14.8,22.4 15.6,22.4 17.2,22.4 18,22.4 22,22.4 23.6,22.4 0.8,23.2 1.6,23.2 2.4,23.2 3.2,23.2 4,23.2 4.8,23.2 5.6,23.2 6.4,23.2 7.2,23.2 8,23.2 8.8,23.2 9.6,23.2 10.4,23.2 11.2,23.2 12,23.2 12.8,23.2 13.6,23.2 14.4,23.2 15.2,23.2 16,23.2 16.8,23.2 17.6,23.2 18.4,23.2 19.2,23.2 20,23.2 20.8,23.2 21.6,23.2 22.4,23.2 23.2,23.2 24,23.2 6.8,24
  other v10: 4.806,18.728 5.606,18.728 6.406,18.728 7.206,18.728 4.406,19.703 5.206,19.703 6.006,19.703 6.806,19.703 7.606,19.703 8.381,19.703 4.006,20.603 4.806,20.603 5.606,20.603 6.406,20.603 7.206,20.603 7.981,20.603
  other v11: 10.483,19.948
  other v12: 8.403,11.633 6.099,11.975 7.007,12.5 5.102,12.754 6.371,12.754 9.165,13.342 4.594,13.516 17.932,17.904 18.582,17.904 19.232,17.904 19.882,17.904 20.532,17.904 21.182,17.904 18.014,21.361 18.664,21.361 19.924,21.361 20.494,21.361 19.314,21.711 21.064,21.711 21.634,21.711 22.204,21.711
  other v13: 4.806,18.728 5.606,18.728 6.406,18.728 7.206,18.728 4.406,19.703 8.381,19.703 4.006,20.603 4.806,20.603 5.606,20.603 6.406,20.603 7.206,20.603 7.981,20.603
  other v14: 18.2,4.024 19.179,4.048 19.479,4.048
pads on no net: U2.349 U2.350 U2.351 U2.354 U2.355 U2.360 U2.361 U2.362 U2.363 U2.364 U2.366 U2.404

## Polygon pours and split planes (outlines as drawn)
VSS on bu1 "pour__VSS__bu1" (solid, pour order 29): 0.35,0.35 0.35,24.65 24.65,24.65 24.65,0.35
DVDD on bu1 "pour__DVDD__bu1__1" (solid, pour order 9): 18.957,18.281 19.37,18.449 19.434,18.234 19.434,17.652 18.791,17.009 18.544,17.009 18.32,17.233 18.32,17.319 18.558,17.557 18.899,17.557 19.005,17.663 19.005,18.123 18.957,18.171
AVDD on bu1 "pour__AVDD__bu1" (solid, pour order 15): 12.06,6.319 12.06,6.469 12.323,6.732 12.462,6.732 12.707,6.487 12.707,6.319
VSS on bu2b "pour__VSS__bu2b" (solid, pour order 31): 0.35,0.35 0.35,24.65 24.65,24.65 24.65,0.35
VDD on bu2b "pour__VDD__bu2b" (solid, pour order 14): 9.684,18.648 10.447,18.648 11.082,19.283 11.082,20.373 11.318,20.609 20.464,20.609 21.091,19.982 22.141,19.982 22.71,19.413 22.71,19.223 22.474,18.987 22.348,18.987 22.102,18.741 22.102,18.51 21.512,17.92 19.961,17.908 17.376,15.323 16.154,15.314 15.982,15.142 15.982,13.929 14.347,12.294 14.347,7.41 14.737,7.02 17.81,7.02 23.716,12.926 23.716,20.272 21.583,22.405 4.992,22.405 3.884,20.91 3.884,18.995 4.625,18.648
VDD on bu2b "pour__VDD__bu2b_1" (solid, pour order 24): 3.918,19.173 3.918,11.493 10.167,5.244 16.419,5.244 18.026,6.851 18.026,7.605 17.843,7.788 14.89,7.788 13.934,6.832 11.694,6.832 8.804,9.722 8.804,12.002 7.066,13.74 7.066,18.933
DVDD on bu2b "pour__DVDD__bu2b__1" (solid, pour order 12): 8.904,18.636 10.093,18.636 10.124,18.605 10.124,18.53 9.2,17.604 8.291,16.695 8.291,14.607 9.511,13.387 12.39,13.387 13.065,12.712 13.064,12.479 13.064,9.353 11.81,8.099 10.97,8.099 9.486,9.583 9.486,11.31 7.085,13.711 7.085,18.783 7.15,18.848 8.693,18.848
AVDD on bu2b "pour__AVDD__bu2b" (solid, pour order 7): 19.795,17.709 19.99,17.904 21.484,17.904 22.703,19.123 22.708,19.145 22.803,19.24 22.803,19.42 22.123,20.1 20.973,20.1 20.187,20.886 13.274,20.886 13.026,20.638 11.023,20.638 10.754,20.369 10.754,20.1 11.073,19.781 11.073,19.452 8.326,16.705 8.326,14.736 9.687,13.375 15.435,13.375 15.982,13.922 15.982,15.142 16.159,15.319 17.379,15.319 18.281,16.221
HVDD on bu2b "pour__DVDD__bu2b__2" (solid, pour order 18): 7.062,9.735 7.157,9.83 7.788,9.83 7.877,9.741 7.877,9.448 7.801,9.372 7.146,9.372 7.062,9.456
AVDD on bu2b "pour__AVDD__core1b_1" (solid, pour order 17): 14.134,13.383 14.134,7.495 14.043,7.404 13.067,7.417 12.986,7.498 12.986,13.561 13.054,13.629 13.888,13.629
VSS on Top Layer "pour__VSS_top" (solid, pour order 36): 24.65,24.65 24.65,0.35 0.35,0.35 0.35,24.65
GND_TEST_WEST on Top Layer "pour__GNDTESTWEST" (solid, pour order 26): 15.031,13.82 15.018,13.833 15.018,13.891 14.874,14.035 14.838,14.032 13.647,14.032 13.647,11.961 13.787,11.821 14.38,11.821 14.527,11.968 14.966,11.968 15.042,12.044 15.042,12.361
VSS on bu1b "pour__VSS__bu1b" (solid, pour order 30): 0.35,0.35 0.35,24.65 24.65,24.65 24.65,0.35
AVDD2 on bu1b "AVDD2_pour" (solid, pour order 0): 22.071,20.984 22.392,20.663 22.404,20.364 22.404,19.995 22.315,19.988 22.315,18.573 22.315,18.366 22.095,18.146 17.852,18.146 17.61,18.697 19.306,18.917 19.306,19.803 13.493,19.803 12.504,18.817 12.017,18.817 10.729,17.57 10.381,17.57 10.381,18.152 10.951,18.721 12.984,20.657 14.562,20.671 14.672,20.671 14.979,20.978 17.827,20.984 18.185,20.984 18.369,20.799 20.586,20.799 20.762,20.984
DVDD on bu1b "pour__DVDD__bu1b__1" (solid, pour order 8): 7.923,19.243 7.923,18.326 8.158,18.091 9.385,18.091 9.569,18.264 10.345,19.04 10.345,19.306 10.73,19.691 10.73,20.739 10.538,20.931 10.06,20.931 9.806,20.677 4.2,20.677 3.834,21.043 3.735,21.043 3.704,21.012 3.704,19.4 3.859,19.245 4.07,19.245 4.262,19.437 7.729,19.437
TXVDD on bu1b "pour__TXVDD__bu1b" (solid, pour order 6): 10.06,17.368 8.555,17.368 8.445,17.478 8.445,17.763 8.648,17.966 9.281,17.966 11.021,19.706 11.021,20.73 11.45,21.159 14.232,21.159 14.444,20.947 14.444,20.833 14.314,20.703 12.965,20.703 11.267,19.005 11.187,19.005 10.377,18.195 10.377,17.571 10.19,17.384
HVDD on bu1b "pour__DVDD__bu1b__2" (solid, pour order 23): 13.628,8.915 7.448,8.915 7.001,9.362 7.001,9.732 7.751,10.482 14.445,10.491 15.161,9.775 15.161,5.715 15.018,5.572 14.067,5.572 13.926,5.691 13.926,6.652 14.135,6.861 14.135,8.408
DVDD on bu1b "pour__DVDD__bu1b__3" (solid, pour order 13): 12.823,7.039 12.472,7.39 12.488,8.126 11.685,8.929 11.237,8.929 10.925,8.617 10.925,8.181 11.535,7.571 11.535,6.681 12.468,5.748 12.774,5.736 12.823,5.785
DVDD on bu1b "pour__DVDD__bu1b__4" (solid, pour order 22): 7.115,16.176 7.283,16.344 8.255,16.344 8.382,16.217 8.382,14.958 8.27,14.846 7.313,14.846 7.115,15.044
AVDD on bu1b "pour__AVDD__bu1b_1" (solid, pour order 19): 12.954,7.869 12.954,8.134 13.096,8.276 14.061,8.276 14.181,8.156 14.181,7.556 14.068,7.443 13.088,7.443 12.95,7.581
VSS on Core1b "pour__VSS__core1b" (solid, pour order 21): 0.35,0.35 0.35,24.65 24.65,24.65 24.65,0.35
DVDD on Core1b "pour__DVDD__core1b__1" (solid, pour order 1): 7.164,16.507 6.922,16.265 6.922,14.923 7.152,14.693 8.833,14.693 9.67,15.53 10.487,15.545 17.723,15.545 18.93,16.676 19.179,16.925 19.179,17.172 19.043,17.308 18.02,17.308 17.476,17.288 17.295,17.107 17.295,17.103 16.699,16.507
AVDD on Core1b "pour__AVDD__core1b" (solid, pour order 11): 12.035,6.284 11.968,6.355 11.968,6.49 12.109,6.631 12.109,7.498 12.987,8.376 14.171,8.376 14.171,7.493 12.643,6.748 12.643,6.61 12.815,6.438 12.815,6.328 12.637,6.15 12.169,6.15
HVDD on Core1b "pour__HVDD__core1b" (solid, pour order 16): 12.743,6.184 13.158,6.599 15.095,6.599 15.266,6.428 15.266,5.619 15.087,5.44 12.871,5.44 12.735,5.576
VSS on Core1 "pour__VSS__core1" (solid, pour order 4): 0.35,0.35 0.35,24.65 24.65,24.65 24.65,0.35
DVDD on Core1 "pour__DVDD__core1__1" (solid, pour order 10): 18.334,17.172 18.47,17.357 18.539,17.465 18.947,17.465 19.122,17.29 19.122,16.944 18.838,16.66 18.619,16.66 18.332,16.947 18.332,17.028
VSS on bu3b "pour__VSS__bu3b" (solid, pour order 32): 0.35,0.35 0.35,24.65 24.65,24.65 24.65,0.35
VDD on bu3b "pour__VDD__bu3b" (solid, pour order 25): 20.98,18.103 21.281,17.802 21.281,17.029 21.146,16.894 20.653,16.894 20.486,17.061 20.486,17.601 20.38,17.707 20.307,17.698 20.134,17.698 19.474,18.358 19.474,19.103 19.769,19.398 20.605,19.398 20.849,19.642 20.983,19.642 21.259,19.366 21.499,19.366 21.562,19.303 21.562,19.111 21.384,18.933 20.061,18.933 19.986,18.858 19.986,18.652 20.535,18.103
HVDD on bu3b "pour__HVDD__bu3b" (solid, pour order 20): 19.554,19.183 19.781,19.41 20.617,19.41 20.846,19.639 20.985,19.639 21.248,19.376 21.423,19.376 21.534,19.487 21.534,19.822 21.127,20.228 20.377,20.217 20.177,20.017 20.063,20.017 20.01,20.07 20.01,21.346 19.329,22.027 5.056,22.027 4.052,21.023 4.052,17.572 5.496,16.128 5.496,8.376 5.94,7.955 9.064,7.955 9.456,8.347 9.456,11.44 16.266,18.25 17.26,18.25 17.357,18.347 17.357,18.817 17.723,19.183
AVDD2 on bu3b "pour__AVDD2__bu3b" (solid, pour order 5): 10.903,17.355 10.476,17.782 10.476,18.195 10.564,18.283 11.075,18.283 11.523,17.835 11.523,16.086 11.382,15.945 11.073,15.945 10.903,16.115
VSS on bu3 "pour__VSS__bu3" (solid, pour order 34): 0.35,0.35 0.35,24.65 24.65,24.65 24.65,0.35
GND_TEST_NORTH on bu3 "pour__GNDTESTNORTH" (solid, pour order 33): 15.21,13.802 15.12,13.802 15.072,13.852 15.072,14.702 19.852,14.702 19.936,14.618 19.936,13.865 19.859,13.788
GND_TEST_SOUTH on bu3 "pour__GNDTESTSOUTH" (solid, pour order 27): 14.607,11.194 14.532,11.119 14.532,10.394 14.63,10.296 19.852,10.296 19.936,10.38 19.936,11.133 19.859,11.21
VSS on bu2 "pour__VSS__bu2" (solid, pour order 42): 0.35,0.35 0.35,24.65 24.65,24.65 24.65,0.35
HVDD on bu2 "pour__bu2__vdd" (solid, pour order 38): 8.234,20.411 8.294,20.351 8.577,20.351 8.641,20.287 8.641,20.226 8.619,20.204 3.938,20.204 3.901,20.241 3.898,20.301 3.898,20.372 3.937,20.411
VDD on bu2 "pour__bu2__vdd_first" (solid, pour order 37): 5.126,19.204 5.213,19.291 5.331,19.291 5.42,19.204 7.88,19.204 7.912,19.172 7.912,19.026 7.888,18.997 4.375,18.997 4.338,19.034 4.335,19.094 4.335,19.165 4.374,19.204
HVDD on bu2 "pour__bu2__vdd" (solid, pour order 41): 8.534,19.508 8.571,19.545 8.617,19.545 8.647,19.515 8.647,19.469 8.48,19.302 8.141,19.301 4.247,19.301 4.21,19.338 4.207,19.398 4.207,19.469 4.246,19.508
HVDD on bu2 "pour__bu2__vdd" (solid, pour order 40): 3.92,21.209 3.92,21.28 3.959,21.319 8.456,21.319 8.481,21.294 8.481,21.146 8.447,21.112 3.96,21.112 3.923,21.148
VDD on bu2 "pour__bu2__vdd" (solid, pour order 39): 3.913,20.894 3.913,20.965 3.963,21.015 8.438,21.015 8.474,20.979 8.474,20.831 8.44,20.797 3.953,20.797 3.916,20.834
VDD on bu2 "pour__bu2__vdd" (solid, pour order 28): 3.894,19.997 3.894,20.068 3.933,20.107 8.43,20.107 8.455,20.082 8.455,19.934 8.421,19.9 3.934,19.9 3.897,19.937
GND_TEST_WEST on bu2 "pour__GNDTESTWEST_bu2" (solid, pour order 35): 15.042,12.361 15.042,12.044 13.674,12.044 13.674,13.93 15.03,13.93
VSS on Bottom Layer "pour__VSS__bottom" (solid, pour order 3): 24.65,24.65 24.65,0.35 0.35,0.35 0.35,24.65

## Other copper
Top Layer:
  drawing of 282 lines, arcs and shapes, not listed